# Altium PCB CRD25DA12N-FMC V2 (09-2024).PcbDoc (part 5 of 6) (continued)
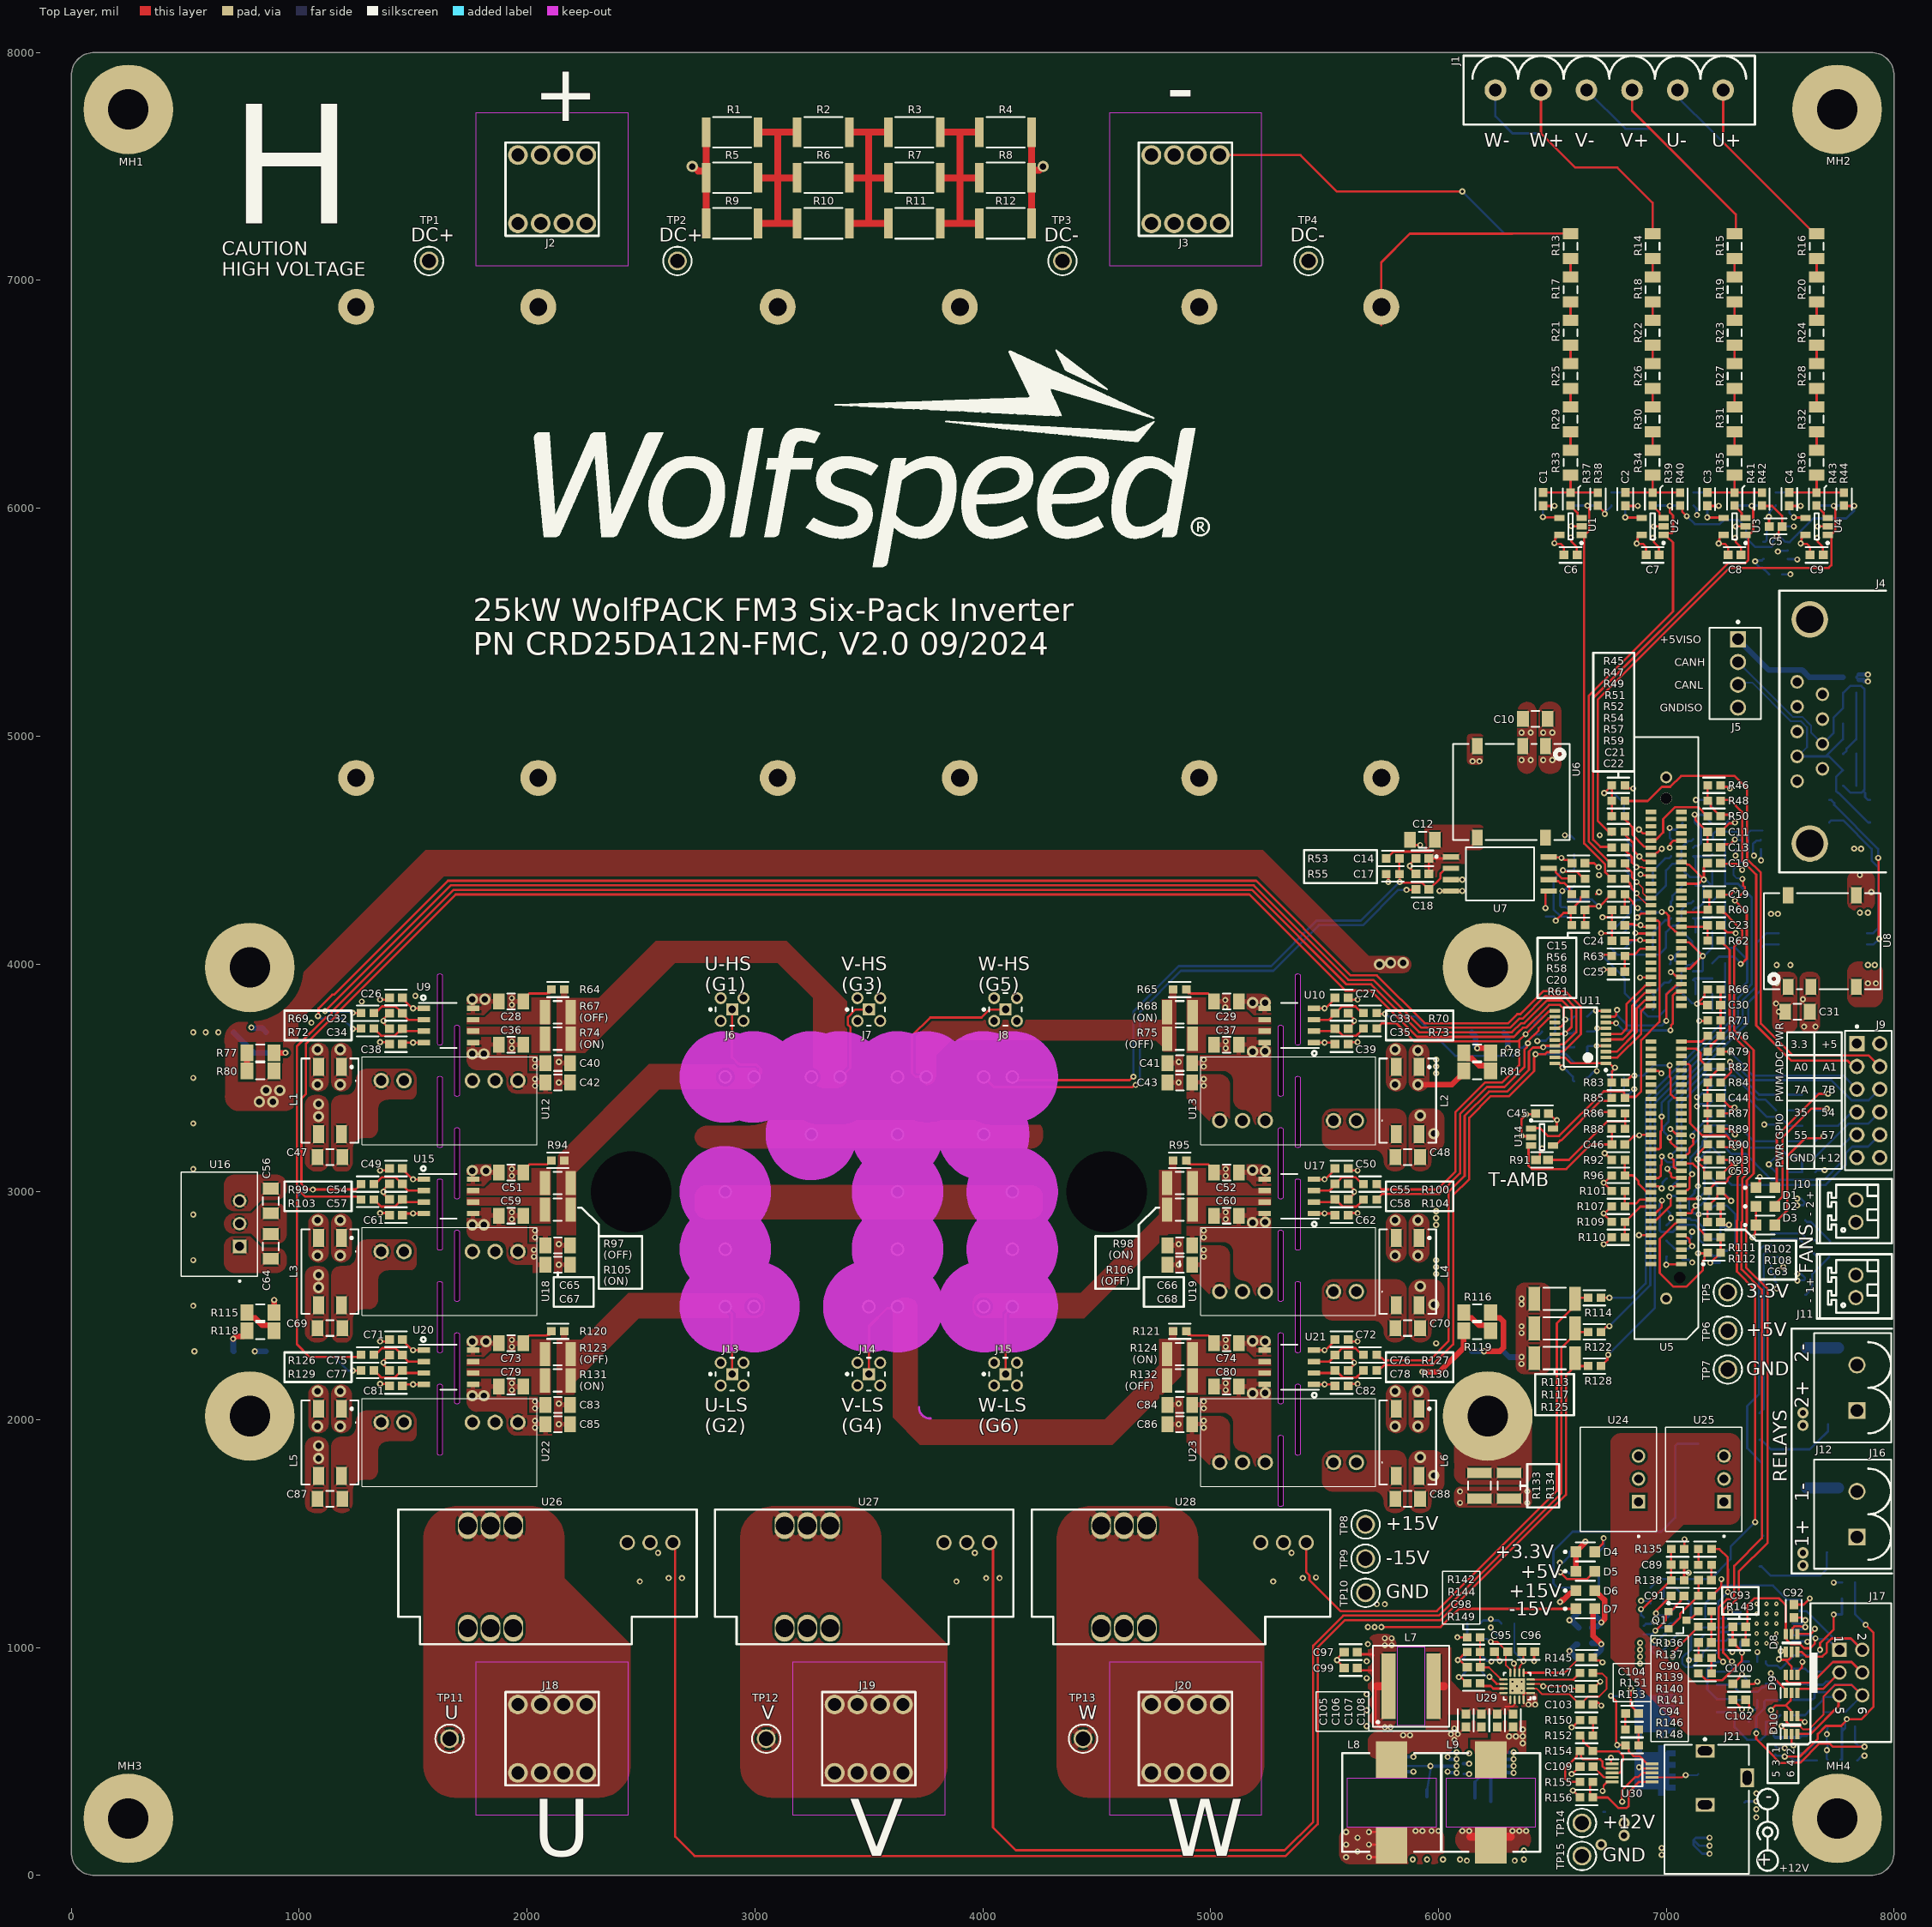
[diagram p0: Top Layer view]
## Nets (pads, with @x,y where several pads share a name; then routed paths per layer and width w, separated by ;. In a path a pad name is that pad's centre, name@x,y a point inside that pad or via, vN(x,y) a via of type N, cw(c..) or ccw(c..) an arc to the next point about the centre after c; other vN are vias at no path point) (continued)
  Bottom Layer w10: v1(1082.04,3770.63) 1086.64,3770.63 1097.27,3760 1190,3760 v1(1235,3715) ; v1(6425.85,3603.98) 6426.87,3605 6558.47,3605 6595.47,3568 R219.2@6596.38,3568
V_LS+_FILT: C78.1 R130.2 U21.2 | length 258
  Top Layer w10: U21.2@5453.27,2205 5540.42,2205 5545.21,2209.79 C78.1@5551.42,2216 ; C78.1@5546.42,2216 5546.42,2208.58 5552.86,2202.14 5562.86,2202.14 5580,2185 5640,2185 5657.52,2202.52 5657.52,2203.04 5670.47,2216 R130.2@5671.38,2216
V_LS-_FILT: C34.1 R72.2 U9.3 | length 258
  Top Layer w10: R72.2@1328.62,3716 1329.53,3716 1342.48,3703.04 1342.48,3702.52 1360,3685 1420,3685 1437.14,3702.14 1447.14,3702.14 1453.58,3708.58 C34.1@1453.58,3716 ; C34.1@1448.58,3716 1454.79,3709.79 1459.58,3705 U9.3@1546.73,3705
V_LS_PWM: U5.55 U11.2 | length 351.8
  Top Layer w10: U11.2@6735,3589.41 6785.92,3589.41 6890,3693.49 6890,3793.14 6908.75,3811.89 6931.93,3811.89 U5.55@6935,3814.96
V_OUT: J19.1 J19.2 J19.3 J19.4 J19.5 J19.6 J19.7 J19.8 TP12.1 U27.1 U27.2 U27.3
VCC: C103.1 R147.2 U29.2 | length 507.7
  Top Layer w8: U29.2@6404.23,820.16 6429.84,820.16 6455,795 6575.47,795 6620.47,750 C103.1@6621.42,750 6622.37,750 6657.37,785 6705,785 6737.5,817.5 6737.5,867.5 6719.8,885.2 6681.42,885.2 R147.2@6678.62,888
VDC_MEAS: C134.1 R57.2 U5.27 | length 242.6
  Top Layer w6.5: v1(6870,4310) 6870,4305.7 6905.62,4270.08 6906.89,4270.08 6912.7,4264.27 6926.48,4264.27 U5.27@6933.07,4257.68
  Top Layer w10: R57.2@6818.62,4374 6819.53,4374 6836.84,4356.68 6838.32,4356.68 6841.5,4353.5 6841.5,4348.19 6847.73,4341.96 6847.73,4332.27 v1(6870,4310)
  Bottom Layer w10: C134.1@6815,4340 6837.47,4340 6837.47,4337.96 6865.43,4310 v1(6870,4310)
VIN: J21.1 J22.2 Q7.5 R156.2 R275.2 U30.1 | length 75.3
  Top Layer w10: v1(6590.28,371.98) 6590.49,371.98 6620.47,342 R156.2@6621.38,342 ; v1(6757.39,516.18) 6757.39,490.27 6758.3,489.37 U30.1@6762.91,489.37
VIN_MID: Q7.1 Q7.2 Q7.3 Q8.1 Q8.2 Q8.3
VIN_PROTECT: Q8.5 R276.1 U30.9 | length 57.5
  Top Layer w8: v1(6880.91,474.71) 6886.06,474.71 6891.82,468.94 6915.68,468.94 6915.68,468.84 U30.9@6935.93,468.84
VU_MEAS: C125.1 R51.2 U5.15 | length 302.6
  Top Layer w6.5: v1(6882.17,4471.22) 6900.14,4453.25 6926.48,4453.25 U5.15@6933.07,4446.65
  Top Layer w10: R51.2@6808.54,4577.05 6821.26,4564.33 6821.26,4564.27 6855.7,4529.83 6855.7,4497.69 v1(6882.17,4471.22)
  Bottom Layer w10: C125.1@6817.55,4548 6820.43,4548 6835.36,4533.08 6835.36,4530.19 6856.36,4509.19 6856.36,4497.03 v1(6882.17,4471.22)
VU_N: J1.2 R157.1 | length 888.5
  Bottom Layer w10: J1.2@7050,7835 7066.17,7818.83 7066.17,7788.83 7190,7665 7190.28,7665 7650.16,7205.12 R157.1@7660,7205.12
VU_P: J1.1 R16.1 | length 805.5
  Top Layer w10: J1.1@7250,7835 7250,7605.28 7650.16,7205.12 R16.1@7660,7205.12
VV_MEAS: C127.1 R52.2 U5.17 | length 246.3
  Top Layer w6.5: v1(6868.86,4425) 6893.89,4425 6897.14,4421.75 6926.48,4421.75 U5.17@6933.07,4415.16
  Top Layer w10: R52.2@6813.53,4505 6849.04,4469.48 6849.04,4445.49 6868.86,4425.68 v1(6868.86,4425)
  Bottom Layer w10: C127.1@6820.43,4480 6825.43,4475 6835.36,4465.08 6835.36,4462.19 6868.86,4428.69 v1(6868.86,4425)
VV_N: J1.4 R158.1 | length 967.7
  Bottom Layer w10: J1.4@6650,7835 6820,7665 6930,7665 7305,7290 7305,7210.12 R158.1@7300,7205.12
VV_P: J1.3 R15.1 | length 820.4
  Top Layer w10: J1.3@6850,7835 6850,7745 7305,7290 7305,7210.12 R15.1@7300,7205.12
VW_MEAS: C129.1 R54.2 U5.25 | length 270.3
  Top Layer w6.5: v1(6870,4360) 6896.75,4333.25 6896.75,4310.44 6905.62,4301.58 6906.89,4301.58 6919.29,4289.17 U5.25@6933.07,4289.17
  Top Layer w10: R54.2@6821.53,4430 6849.62,4401.91 6849.62,4380.38 v1(6870,4360)
  Bottom Layer w10: C129.1@6817.55,4411 6820.43,4411 6835.36,4396.08 6835.36,4394.64 v1(6870,4360)
VW_N: J1.6 R159.1 | length 1097.3
  Bottom Layer w10: J1.6@6250,7835 6250,7720 6325,7645 6450,7645 6600,7495 6785,7495 6940,7340 R159.1@6940,7205.12
VW_P: J1.5 R14.1 | length 941.2
  Top Layer w10: J1.5@6450,7835 6450,7645 6600,7495 6785,7495 6940,7340 R14.1@6940,7205.12
W: Q2.W U28.4 U28.5 U28.6
W_HS: R73.1 R100.1 R215.2 U11.11 | length 2115.8
  Top Layer w10: R100.1@5728.62,3034 5729.53,3034 5742.48,3021.04 5742.48,3020.14 5752.62,3010 5995,3010 6075,3090 6075,3350 6205,3480 6280,3480 6355,3555 6355,3665 ; R73.1@5728.62,3716 5729.53,3716 5742.48,3728.96 5742.48,3729.86 5752.62,3740 5815,3740 5895,3660 6350,3660 6355,3665 ; v1(6382.91,3691.5) v1@6381.5,3691.5 ; U11.11@6510.59,3794.13 6507.72,3791.26 6484.71,3791.26 6384.95,3691.5 v1@6381.5,3691.5 ; 6355,3665 v1@6381.5,3691.5
  Bottom Layer w10: v1(6382.91,3691.5) 6420.72,3729.3 6420.72,3735.25 6455,3769.53 R215.2@6455,3770
W_HS+_FILT: C35.1 R73.2 U10.2 | length 258
  Top Layer w10: U10.2@5453.27,3705 5540.42,3705 5545.21,3709.79 C35.1@5551.42,3716 ; C35.1@5546.42,3716 5546.42,3708.58 5552.86,3702.14 5562.86,3702.14 5580,3685 5640,3685 5657.52,3702.52 5657.52,3703.04 5670.47,3716 R73.2@5671.38,3716
W_HS-_FILT: C55.1 R100.2 U17.3 | length 256.7
  Top Layer w10: U17.3@5453.27,3005 5521.47,3005 5550.47,3034 5550.47,3037.1 5561.24,3047.86 5577.24,3063.86 5636.14,3063.86 5653.04,3046.96 5658.42,3046.96 R100.2@5671.38,3034
W_HS_PWM: U5.50 U11.9 | length 539.8
  Top Layer w10: U11.9@6735,3768.54 6773.62,3768.54 6780.61,3775.53 6780.61,3795 v1(6783.87,3798.26) ; v1(7000,3750) 7000,3863.77 7040.83,3904.61 7064.02,3904.61 U5.50@7068.86,3909.45
  Bottom Layer w10: v1(6783.87,3798.26) 6783.87,3776.13 6830,3730 6980,3730 v1(7000,3750)
W_LS: R70.1 R104.1 R217.2 U11.12 | length 2183.7
  Top Layer w10: R104.1@5728.62,2966 5729.53,2966 5742.48,2978.96 5742.48,2979.86 5752.62,2990 6003.28,2990 6095,3081.72 6095,3341.72 6213.28,3460 6289.93,3460 6377.35,3547.43 6377.35,3624.07 6389.19,3635.91 6389.19,3648.62 v1(6392.44,3651.88) ; R70.1@5728.62,3784 5731.76,3780.86 v1(5765.55,3780.86) ; v1@6389.03,3655.37 v1@6392.28,3658.62 ; v1@6392.14,3660.42 6440.35,3708.63 6440.35,3718.61 6483.57,3761.83 6488.13,3761.83 6494.84,3768.54 U11.12@6510.59,3768.54
  Bottom Layer w10: v1(5765.55,3780.86) 5770.15,3780.86 5781.01,3770 5899.69,3770 6073.19,3596.5 6328.24,3596.5 6364.34,3632.6 6371.41,3632.6 6392.14,3653.33 v1@6392.14,3658.62 ; v1@6388.03,3656.29 v1(6392.44,3651.88) ; v1@6392.14,3660.42 6422.05,3690.33 6442.52,3690.33 6455,3702.81 R217.2@6455,3703
W_LS+_FILT: C58.1 R104.2 U17.2 | length 258
  Top Layer w10: U17.2@5453.27,2955 5540.42,2955 5545.21,2959.79 C58.1@5551.42,2966 ; C58.1@5546.42,2966 5546.42,2958.58 5552.86,2952.14 5562.86,2952.14 5580,2935 5640,2935 5657.52,2952.52 5657.52,2953.04 5670.47,2966 R104.2@5671.38,2966
W_LS-_FILT: C33.1 R70.2 U10.3 | length 256.7
  Top Layer w10: U10.3@5453.27,3755 5521.47,3755 5550.47,3784 5550.47,3787.1 5561.24,3797.86 5577.24,3813.86 5636.14,3813.86 5653.04,3796.96 5658.42,3796.96 R70.2@5671.38,3784
W_LS_PWM: U5.52 U11.8 | length 501.6
  Top Layer w10: U11.8@6735,3742.95 6736.54,3741.41 6778.29,3741.41 v1(6779.83,3739.87) ; v1(7018.47,3708.51) 7021.72,3711.76 7021.72,3731.42 7028.5,3738.19 7028.5,3860.78 7040.83,3873.11 7064.02,3873.11 U5.52@7068.86,3877.95
  Bottom Layer w10: v1(6779.83,3739.87) 6781.21,3739.87 6812.57,3708.51 v1(7018.47,3708.51)
W_OUT: J20.1 J20.2 J20.3 J20.4 J20.5 J20.6 J20.7 J20.8 TP13.1 U28.1 U28.2 U28.3
pads on no net: HS1.1 HS1.2 HS1.4 J4.1 J4.4 J4.6 J4.8 MH1.1 MH2.1 MH3.1 MH4.1 Q2.MH1 Q2.MH2 U5. U5.1 U5.2 U5.3 U5.4 U5.5 U5.6 U5.8 U5.12 U5.14 U5.18 U5.20 U5.21 U5.23 U5.24 U5.26 U5.28 U5.32 U5.40 U5.41 U5.42 U5.43 U5.44 U5.45 U5.54 U5.56 U5.57 U5.59 U5.61 U5.62 U5.63 U5.66 U5.67 U5.68 U5.69 U5.70 U5.71 U5.72 U5.73 U5.75 U5.76 U5.77 U5.78 U5.79 U5.80 U5.81 U5.82 U5.85 U5.86 U5.89 U5.91 U5.93 U5.104 U5.109 U5.110 U5.113 U5.114 U5.115 U5.116 U5.117 U5.118 U5.119 U5.121 U5.122 U6.8 U8.8 U11.13 U11.16 U29.15 U38.11 U38.12 U38.13 U38.14 U39.7 U39.8

## Polygon pours and split planes (outlines as drawn)
GND on Layer 2 "Layer 2-GND" (solid, pour order 2481): 112 vertices, not listed, extent 490,50 7950,6174.89
GND_NTC on Layer 2 "Layer 2-GND_NTC" (solid, pour order 2493): 17 vertices, not listed, extent 5750,4305 6200,5010
S1 on Layer 2 "Layer 2-S1" (solid, pour order 1856): 30 vertices, not listed, extent 1734.75,2630 3075,3875
S3 on Layer 2 "Layer 2-S3" (solid, pour order 2483): 30 vertices, not listed, extent 1735,3420 3555,4110
S5 on Layer 2 "Layer 2-S5" (solid, pour order 2086): 20 vertices, not listed, extent 3580,3440 4845,3860
S5 on Layer 2 "Layer 5-S4" (solid, pour order 2467): 4990,3880 4940,3880 4910,3910 4814.87,3910 ccw(c4815,3865) 4770,3865 4770,3449.84 ccw(c4815,3450) 4815,3405 4890,3405 5020,3275 5220.06,3275 ccw(c5220,3320) 5265,3320 5265,3825.1 ccw(c5220,3825) 5220,3870 5000,3870
GND_ISO on Layer 2 "Layer 2-GND_ISO" (solid, pour order 2419): 19 vertices, not listed, extent 7255,3810 7950,5585
DC+ on Layer 2 "Layer 2-DC+" (solid, pour order 2301): 4265,3185 4265,3259.86 ccw(c4210,3260) 4210,3315 2805,3315.04 2805,3312.91 ccw(c2790,3260) 2735,3260 2735,3185.09 ccw(c2790,3185) 2790,3130 4209.9,3130 ccw(c4210,3185)
DC- on Layer 2 "Layer 2-DC-" (solid, pour order 2108): 2790,2880 4209.9,2880 ccw(c4210,2935) 4265,2935.46 4265,2975 ccw(c4210,2975) 4210.01,3030 2789.63,3030 ccw(c2790,2975) 2735,2975 2735,2935.06 ccw(c2790,2935)
GND_NTC on Layer 2 "Layer 2-GND_NTC 1" (solid, pour order 2092): 4004.75,3445 4649.24,3445.01 ccw(c4649.99,3479.56) 4649.99,3445 ccw(c4649.99,3479.56) 4650,3445 ccw(c4650,3480) 4685,3480 4685,3495.01 ccw(c4650,3495) 4650.25,3530 4004.88,3530 ccw(c4005,3495) 3970,3495.19 3970,3480 ccw(c4005,3480)
S4 on Layer 2 "Layer 2-S4" (solid, pour order 1912): 24 vertices, not listed, extent 3425,1775 5265,2585
S2 on Layer 2 "Layer 2-S2" (solid, pour order 1838): 26 vertices, not listed, extent 1735,1930 3075,2585
S6 on Layer 2 "Layer 2-S6" (solid, pour order 208): 29 vertices, not listed, extent 3925,2120 5265,3160
W_OUT on Layer 2 "Layer 2-W_OUT" (solid, pour order 650): 25 vertices, not listed, extent 4325,340 5235,1620
V_OUT on Layer 2 "Layer 2-V_OUT" (solid, pour order 649): 25 vertices, not listed, extent 2935,340 3845,1620
U_OUT on Layer 2 "Layer 2-U_OUT" (solid, pour order 927): 25 vertices, not listed, extent 1545,340 2455,1620
+3.3V on Layer 4 "Layer 4-+3.3V" (solid, pour order 2455): 63 vertices, not listed, extent 6015,490 7950,6175
+12V on Layer 4 "Layer 3-+5V_ALT" (solid, pour order 1328): 20 vertices, not listed, extent 490,1590 1575,3890
DC+ on Layer 4 "Layer 4-DC+" (solid, pour order 1989): 50 vertices, not listed, extent 760,3125 6240.01,7740.1
-3V_V_HS on Layer 4 "Layer 4--3V_U_LS" (solid, pour order 2475): 1780,3430 2180.14,3430 ccw(c2180,3475) 2225,3475 2225,3865.14 ccw(c2180,3865) 2180,3910 1779.86,3910 ccw(c1780,3865) 1735,3865 1735,3474.86 ccw(c1780,3475)
-3V_U_HS on Layer 4 "Layer 4--3V_U_LS" (solid, pour order 2474): 1780,2680 2180.14,2680 ccw(c2180,2725) 2225,2725 2225,3115.14 ccw(c2180,3115) 2180,3160 1779.86,3160 ccw(c1780,3115) 1735,3115 1735,2724.86 ccw(c1780,2725)
+5V on Layer 4 "Layer 4-+5V 1" (solid, pour order 1716): 5960,1790 ccw(c5959.91,1835.09) 6005,1835 6005,3830 ccw(c5959.9,3829.9) 5960,3875 5630,3875 5470.31,3875 ccw(c5470.45,3829.55) 5425,3829.69 5425,1835 ccw(c5470.27,1835.27) 5470.31,1790
-3V_W_HS on Layer 4 "Layer 4--3V_V_LS" (solid, pour order 2463): 4990,3880 4940,3880 4910,3910 4814.87,3910 ccw(c4815,3865) 4770,3865 4770,3449.83 ccw(c4815,3450) 4815,3405 4890,3405 5020,3275 5220.06,3275 ccw(c5220,3320) 5265,3320 5265,3825.1 ccw(c5220,3825) 5220,3870 5000,3870
-3V_W_LS on Layer 4 "Layer 4--3V_V_LS" (solid, pour order 2462): 4990,3130 4940,3130 4910,3160 4814.87,3160 ccw(c4815,3115) 4770,3115 4770,2699.83 ccw(c4815,2700) 4815,2655 4890,2655 5020,2525 5220.06,2525 ccw(c5220,2570) 5265,2570 5265,3075.1 ccw(c5220,3075) 5220,3120 5000,3120
+5V_ISO on Layer 4 "Layer 4-+5V_ISO" (solid, pour order 2436): 32 vertices, not listed, extent 7255,3810 7950,5585
VIN on Layer 4 "Layer 4-VIN" (solid, pour order 1731): 6615,50 7245,50 ccw(c7245,120) 7315,120 7315,530 ccw(c7245,530) 7245,600 6615,600 ccw(c6615,530) 6545,530 6545,120 ccw(c6615,120)
+15V on Layer 4 "Layer 4-+15V" (solid, pour order 2253): 66 vertices, not listed, extent 2380,50 6905,2590
+15V on Layer 4 "Layer 4-+15V 1" (solid, pour order 2240): 6496.49,1263.51 ccw(c6540,1275) 6528.51,1231.49
U on Layer 4 "Bottom Layer-U" (solid, pour order 2033): 25 vertices, not listed, extent 1545,1000 2955,2845
V on Layer 4 "Bottom Layer-V" (solid, pour order 2030): 17 vertices, not listed, extent 2935,1000 3710,2845.01
W on Layer 4 "Bottom Layer-W" (solid, pour order 2029): 18 vertices, not listed, extent 4045,1000 4880,2845
-3V_V_LS on Layer 4 "Layer 4--3V_V_LS" (solid, pour order 1928): 4990,2380 4940,2380 4910,2410 4814.87,2410 ccw(c4815,2365) 4770,2365 4770,1949.83 ccw(c4815,1950) 4815,1905 4890,1905 5020,1775 5220.06,1775 ccw(c5220,1820) 5265,1820 5265,2325.1 ccw(c5220,2325) 5220,2370 5000,2370
-3V_U_LS on Layer 4 "Layer 4--3V_U_LS" (solid, pour order 1854): 1780,1930 2180.14,1930 ccw(c2180,1975) 2225,1975 2225,2365.14 ccw(c2180,2365) 2180,2410 1779.86,2410 ccw(c1780,2365) 1735,2365 1735,1974.86 ccw(c1780,1975)
+12V on Layer 3 "Layer 3-+12V" (solid, pour order 2246): 39 vertices, not listed, extent 5425,50 7950,4035
+15V on Layer 3 "Layer 3-+15V" (solid, pour order 2179): 7845,490 ccw(c7845,595) 7950,595 7950,1185 ccw(c7905,1185) 7905,1230 6909.9,1230 ccw(c6910,1185) 6865,1185 6865,534.97 ccw(c6910,535) 6910,490
+5V_ALT on Layer 3 "Layer 3-+5V_ALT" (solid, pour order 2478): 20 vertices, not listed, extent 490,1590 1575,3890
+5V on Layer 3 "Layer 3-+5V" (solid, pour order 2453): 52 vertices, not listed, extent 5975,1800 7950,6175
DC- on Layer 3 "Layer 3-DC-" (solid, pour order 1961): 57 vertices, not listed, extent 760,2878.55 6240,7740
+15V_V_HS on Layer 3 "Layer 3-+15V_U_LS" (solid, pour order 2477): 1780,3430 2180.14,3430 ccw(c2180,3475) 2225,3475 2225,3865.14 ccw(c2180,3865) 2180,3910 1779.86,3910 ccw(c1780,3865) 1735,3865 1735,3474.86 ccw(c1780,3475)
+15V_U_HS on Layer 3 "Layer 3-+15V_U_LS" (solid, pour order 2476): 1780,2680 2180.14,2680 ccw(c2180,2725) 2225,2725 2225,3115.14 ccw(c2180,3115) 2180,3160 1779.86,3160 ccw(c1780,3115) 1735,3115 1735,2724.86 ccw(c1780,2725)
+15V_W_LS on Layer 3 "Layer 3-+15V_V_LS" (solid, pour order 2461): 4990,3130 4940,3130 4910,3160 4814.87,3160 ccw(c4815,3115) 4770,3115 4770,2699.83 ccw(c4815,2700) 4815,2655 4890,2655 5020,2525 5220.06,2525 ccw(c5220,2570) 5265,2570 5265,3075.1 ccw(c5220,3075) 5220,3120 5000,3120
+15V_W_HS on Layer 3 "Layer 3-+15V_V_LS" (solid, pour order 2460): 4990,3880 4940,3880 4910,3910 4814.87,3910 ccw(c4815,3865) 4770,3865 4770,3449.83 ccw(c4815,3450) 4815,3405 4890,3405 5020,3275 5220.06,3275 ccw(c5220,3320) 5265,3320 5265,3825.1 ccw(c5220,3825) 5220,3870 5000,3870
+5V_ISO on Layer 3 "Layer 3-+5V_ISO" (solid, pour order 2437): 32 vertices, not listed, extent 7255,3810 7950,5585
-15V on Layer 3 "Layer 3--15V" (solid, pour order 2204): 46 vertices, not listed, extent 2380,50 6150,1515
V_OUT on Layer 3 "Layer 3-V_OUT" (solid, pour order 653): 3845,1015 3555,1305 3555,1475.39 ccw(c3410,1475) 3410,1620 3080.47,1620 ccw(c3079.99,1475.01) 2935,1475 2935,485 ccw(c3080,485) 3080,340 3699.83,340 ccw(c3700,485) 3845,485
+15V_V_LS on Layer 3 "Layer 3-+15V_V_LS" (solid, pour order 1925): 4990,2380 4940,2380 4910,2410 4814.87,2410 ccw(c4815,2365) 4770,2365 4770,1949.83 ccw(c4815,1950) 4815,1905 4890,1905 5020,1775 5220.06,1775 ccw(c5220,1820) 5265,1820 5265,2325.1 ccw(c5220,2325) 5220,2370 5000,2370
W_OUT on Layer 3 "Layer 3-W_OUT" (solid, pour order 830): 5235,1015 4945,1305 4945,1475.39 ccw(c4800,1475) 4800,1620 4470.24,1620 ccw(c4470,1475) 4325,1475 4325,485 ccw(c4470,485) 4470,340 5089.83,340 ccw(c5090,485) 5235,485
U_OUT on Layer 3 "Layer 3-U_OUT" (solid, pour order 1194): 2455,1015 2165,1305 2165,1475.39 ccw(c2020,1475) 2020,1620 1690.38,1620 ccw(c1689.99,1475.01) 1545,1475 1545,485 ccw(c1690,485) 1690,340 2309.83,340 ccw(c2310,485) 2455,485
+15V_U_LS on Layer 3 "Layer 3-+15V_U_LS" (solid, pour order 1847): 1780,1930 2180.14,1930 ccw(c2180,1975) 2225,1975 2225,2365.14 ccw(c2180,2365) 2180,2410 1779.86,2410 ccw(c1780,2365) 1735,2365 1735,1974.86 ccw(c1780,1975)
NetD13_2 on Bottom Layer "NONET_L-01_P-001" (solid, pour order 2514): 7900,2910 7710,2910 7710,2950 7650,2950 7650,2815 7900,2815
+12V on Bottom Layer "NONET_L-01_P-001" (solid, pour order 2513): 7900,3025 7900,2920 7710,2920 7710,3025
NetD14_2 on Bottom Layer "NONET_L-01_P-001" (solid, pour order 2405): 7900,2580 7710,2580 7710,2620 7650,2620 7650,2485 7900,2485
+12V on Bottom Layer "NONET_L-01_P-001" (solid, pour order 2404): 7900,2695 7900,2590 7710,2590 7710,2695
GND on Bottom Layer "Bottom Layer-GND 5" (solid, pour order 1670): 7470,1919.76 ccw(c7505,1919.76) 7505.14,1884.76 7600.14,1884.76 ccw(c7600,1919.76) 7635,1919.6 7635,2059.91 ccw(c7600,2059.77) 7600.18,2094.76 7504.81,2094.76 ccw(c7505,2059.77) 7470,2059.77
NetD17_2 on Bottom Layer "Bottom Layer-NetD17_2" (solid, pour order 1668): 18 vertices, not listed, extent 7470,1884.76 7950,2404.76
+12V on Bottom Layer "Bottom Layer-+12V 2" (solid, pour order 1669): 7875,1919.54 7875,2059.85 ccw(c7840,2059.76) 7840.15,2094.76 7789.82,2094.76 ccw(c7790,2059.77) 7755,2059.88 7755,1919.76 ccw(c7790,1919.76) 7789.87,1884.76 7840.18,1884.76 ccw(c7840,1919.76)
DC+ on Bottom Layer "Bottom Layer-DC+" (solid, pour order 2512): 47 vertices, not listed, extent 760,3180 6240.01,7740.1
S5 on Bottom Layer "Bottom Layer-S5" (solid, pour order 2027): 31 vertices, not listed, extent 4770,3275 5265,3910
NetC48_1 on Bottom Layer "NONET_L-01_P-001" (solid, pour order 2469): 5535,3365 ccw(c5535,3320) 5490,3320 5490,3230 ccw(c5535,3230) 5535,3185 5715,3185 cw(c5715,3140) 5760,3140 5760,3135 ccw(c5805,3135) 5805,3090 5925,3090 ccw(c5925,3135) 5970,3135 5970,3145.83 cw(c6004.58,3150.42) 6000,3185 ccw(c5992.08,3217.08) 6025,3220 6025,3320 ccw(c5980,3320) 5980,3365
NetC70_1 on Bottom Layer "NONET_L-01_P-001" (solid, pour order 2459): 5535,2615 ccw(c5535,2570) 5490,2570 5490,2480 ccw(c5535,2480) 5535,2435 5715,2435 cw(c5715,2390) 5760,2390 5760,2385 ccw(c5805,2385) 5805,2340 5925,2340 ccw(c5925,2385) 5970,2385 5970,2395.83 cw(c6004.58,2400.42) 6000,2435 ccw(c5992.08,2467.08) 6025,2470 6025,2570 ccw(c5980,2570) 5980,2615
NetC69_2 on Bottom Layer "Bottom Layer-NetC136_2" (solid, pour order 1108): 24 vertices, not listed, extent 1025,2340 1515.4,2790
GND on Bottom Layer "Bottom Layer-GND 4" (solid, pour order 1678): 6655,4275 6740.1,4275 ccw(c6740,4320) 6785,4319.97 6785,4685 ccw(c6739.93,4684.93) 6740.1,4730 6660,4730 ccw(c6660.07,4684.93) 6615,4685 6615,4315 ccw(c6655.02,4315.02)
GND on Bottom Layer "NONET_L-01_P-001" (solid, pour order 2409): 7300,485 7300,190 7170,190 7170,275 7065,275 7065,50 7515,50 7515,485
VIN on Bottom Layer "Bottom Layer-VIN" (solid, pour order 2408): 22 vertices, not listed, extent 6860,200 7290,830
GND_ISO on Bottom Layer "Bottom Layer-GND_ISO" (solid, pour order 774): 7795,4405 7885,4405 7885,4480.14 ccw(c7840,4480) 7840,4525 7839.82,4525 ccw(c7840,4480) 7795,4480 7795,4415
GND_ISO on Bottom Layer "Bottom Layer-GND_ISO 1" (solid, pour order 765): 7950,4155 7950,4290 7795,4290 7795,4200 ccw(c7840.07,4200.07) 7840,4155
+5V_ISO on Bottom Layer "+5V_ISO_L06_P517" (solid, pour order 517): 7795,4395 7795,4295 7910,4295 7910,4340 7885,4340 7885,4395
+5V_ISO on Bottom Layer "Bottom Layer-+5V_ISO" (solid, pour order 597): 7795,3855 ccw(c7840,3855) 7840,3810 7860,3810 7860,3940 7950,3940 7950,4020 ccw(c7904.94,4019.94) 7905,4065 7840,4065 ccw(c7840.01,4019.99) 7795,4020
GND on Bottom Layer "GND_L06_P290" (solid, pour order 290): 7413.72,4236.18 7413.72,4155 7525,4155 7525,4236.18
GND on Bottom Layer "GND_L06_P515" (solid, pour order 515): 7430,3935 7430,3775 7535,3775 7535,3935
+3.3V on Bottom Layer "+3.3V_L06_P306" (solid, pour order 306): 7605,3830 7605,3910 7585,3910 7585,4065 7430,4065 7430,3945 7540,3945 7540,3830
-15V on Bottom Layer "Bottom Layer--15V" (solid, pour order 2402): 82 vertices, not listed, extent 2380,50 6680,2600
NetC185_1 on Bottom Layer "Bottom Layer-NetC187_1" (solid, pour order 2399): 6495,370 6495,425.05 ccw(c6460.02,425.02) 6460.05,460 6389.81,460 ccw(c6390,425) 6355,425 6355,410 6355,385 6443.54,385 6443.54,295 6365,295 6365,260 ccw(c6390,260) 6390,235 6460.03,235 ccw(c6459.96,270.04) 6495,270.04
+15V on Bottom Layer "Bottom Layer-+15V 3" (solid, pour order 2396): 6405,85 6405,125 6085,125 6085,84.91 ccw(c6120,85) 6120.45,50 6370.09,50 ccw(c6370,85)
GND on Bottom Layer "Bottom Layer-GND 7" (solid, pour order 2389): 5845,50 ccw(c5845,85) 5845.42,50 6035.2,50 ccw(c6035,85) 6070,85 6070,130 5810,130 5810,84.91 ccw(c5845,85)
NetC105_2 on Bottom Layer "Bottom Layer-NetC202_2" (solid, pour order 2382): 5840,500 5840,585 6070.07,585 ccw(c6070,610) 6095,610 6095,635 ccw(c6070,635) 6070,660 5850.1,660 ccw(c5850,645) 5835,645 cw(c5820,645) 5820,630 5750,630 5720,630 ccw(c5720,595) 5685,595 5685,499.85 ccw(c5720,500) 5720,465 5804.47,465 ccw(c5805,500)
NetC194_1 on Bottom Layer "Bottom Layer-NetC214_1" (solid, pour order 2369): 5685,254.88 ccw(c5720,255) 5719.87,220 5775.12,220 ccw(c5775.12,254.88) 5810,254.88 5810,295 5720,295 5720,380 5840,380 5840,419.56 ccw(c5804.67,419.67) 5804.56,455 5719.92,455 ccw(c5719.99,420.01) 5685,419.56
NetC107_2 on Bottom Layer "Bottom Layer-NetC186_2" (solid, pour order 2359): 6389.77,470 6460,470 ccw(c6460,505) 6495,505 6495,625.15 ccw(c6459.96,624.96) 6459.96,660 6360,660 6154.92,660 ccw(c6155,625) 6120,624.99 6120,599.88 ccw(c6155,600) 6155,565 6355,565 6355,504.88 ccw(c6390,505)
NetD18_2 on Bottom Layer "Bottom Layer-NetD18_2" (solid, pour order 1650): 18 vertices, not listed, extent 7470,1329.99 7950,1850
+12V on Bottom Layer "Bottom Layer-+12V 5" (solid, pour order 2340): 5825,680 5825,775 5825,1020.09 ccw(c5785,1020) 5790,1059.69 ccw(c5795,1020) 5755,1020 5755,925 5755,679.87 ccw(c5795,680) 5790,640.31 ccw(c5785,680)
GND on Bottom Layer "Bottom Layer-GND 8" (solid, pour order 2332): 5665,679.87 ccw(c5705,680) 5705,640 5705.16,640 ccw(c5705,680) 5745,680 5745,775 5745,1020.09 ccw(c5705,1020) 5705,1060 5704.84,1060 ccw(c5705,1020) 5665,1020 5665,925
VIN_MID on Bottom Layer "Bottom Layer-VIN_MID" (solid, pour order 1428): 17 vertices, not listed, extent 6715,365 6850,770
GND on Bottom Layer "NONET_L-01_P-001" (solid, pour order 2122): 6085,575 6085,310 5730,310 5730,370 5850,370 5850,575
+15V on Bottom Layer "NONET_L-01_P-001" (solid, pour order 2121): 6100,580 6100,305 6440,305 6440,375 6345,375 6345,580
GND on Bottom Layer "NONET_L-01_P-001" (solid, pour order 2126): 6405,140 6405,210 6360,210 6360,217.5 6360,295 6100,295 6100,140
VIN_PROTECT on Bottom Layer "Bottom Layer-VIN_PROTECT" (solid, pour order 1442): 7055,189.81 7055,545.19 ccw(c7020,545) 7020.17,580 6879.93,580 ccw(c6880.07,559.93) 6860,559.93 6860,190 ccw(c6895,190) 6895,155 7020.25,155 ccw(c7020,190)
+12V on Bottom Layer "Bottom Layer-+12V 4" (solid, pour order 1436): 6679.88,84.82 ccw(c6714.88,85) 6715,50 6810.07,50 ccw(c6809.98,84.91) 6844.88,84.82 6844.88,295.24 ccw(c6809.99,295.11) 6810.07,330 6714.69,330 ccw(c6714.88,295.01) 6679.88,295.24
U on Bottom Layer "Bottom Layer-U" (solid, pour order 809): 25 vertices, not listed, extent 1545,1000 2955,2845
W on Bottom Layer "Bottom Layer-W" (solid, pour order 806): 18 vertices, not listed, extent 4045,1000 4880,2845
V on Bottom Layer "Bottom Layer-V" (solid, pour order 780): 17 vertices, not listed, extent 2935,1000 3710,2845.01
NetC88_1 on Bottom Layer "NONET_L-01_P-001" (solid, pour order 974): 5535,1865 ccw(c5535,1820) 5490,1820 5490,1730 ccw(c5535,1730) 5535,1685 5715,1685 cw(c5715,1640) 5760,1640 5760,1635 ccw(c5805,1635) 5805,1590 5925,1590 ccw(c5925,1635) 5970,1635 5970,1645.83 cw(c6004.58,1650.42) 6000,1685 ccw(c5992.08,1717.08) 6025,1720 6025,1820 ccw(c5980,1820) 5980,1865
-3V_W_HS on Bottom Layer "Bottom Layer--3V_W_HS" (solid, pour order 2026): 5210,3275 5220,3275 ccw(c5220,3320) 5265,3320 5265,3615.28 ccw(c5220,3615) 5220.06,3660 5184.85,3660 ccw(c5185,3615) 5140,3615 5140,3560.13 ccw(c5165.05,3560.05) 5165.06,3535 cw(c5165,3515) 5185,3515 5185,3300 ccw(c5210,3300)
+15V_W_HS on Bottom Layer "Bottom Layer-+15V_W_HS" (solid, pour order 2025): 5040,3275 ccw(c5039.95,3320.05) 5085,3320 5085,3330 5010,3405 5010,3470.14 ccw(c4965,3470) 4965.14,3515 ccw(c4965.15,3469.85) 4920,3470 4920,3375 5020,3275
S6 on Bottom Layer "Bottom Layer-S6" (solid, pour order 2024): 31 vertices, not listed, extent 4770,2525 5265,3160
-3V_W_LS on Bottom Layer "Bottom Layer--3V_W_LS" (solid, pour order 2023): 5210,2525 5220,2525 ccw(c5220,2570) 5265,2570 5265,2865.28 ccw(c5220,2865) 5220.06,2910 5184.85,2910 ccw(c5185,2865) 5140,2865 5140,2810.13 ccw(c5165.05,2810.05) 5165.06,2785 cw(c5165,2765) 5185,2765 5185,2550 ccw(c5210,2550)
+15V_W_LS on Bottom Layer "Bottom Layer-+15V_W_LS" (solid, pour order 2022): 5040,2525 ccw(c5039.95,2570.05) 5085,2570 5085,2580 5010,2655 5010,2720.14 ccw(c4965,2720) 4965.14,2765 ccw(c4965.15,2719.85) 4920,2720 4920,2625 5020,2525
S4 on Bottom Layer "Bottom Layer-S4" (solid, pour order 2021): 31 vertices, not listed, extent 4770,1775 5265,2410
-3V_V_LS on Bottom Layer "Bottom Layer--3V_V_LS" (solid, pour order 2003): 5210,1775 5220,1775 ccw(c5220,1820) 5265,1820 5265,2115.28 ccw(c5220,2115) 5220.06,2160 5184.85,2160 ccw(c5185,2115) 5140,2115 5140,2060.13 ccw(c5165.05,2060.05) 5165.06,2035 cw(c5165,2015) 5185,2015 5185,1800 ccw(c5210,1800)
+15V_V_LS on Bottom Layer "Bottom Layer-+15V_V_LS" (solid, pour order 1997): 5040,1775 ccw(c5039.95,1820.05) 5085,1820 5085,1830 5010,1905 5010,1970.14 ccw(c4965,1970) 4965.14,2015 ccw(c4965.15,1969.85) 4920,1970 4920,1875 5020,1775
S1 on Bottom Layer "Bottom Layer-S2" (solid, pour order 1852): 21 vertices, not listed, extent 1830,2680 2225.07,3130
-3V_U_HS on Bottom Layer "Bottom Layer--3V_U_LS" (solid, pour order 1851): 1735,2724.9 ccw(c1780,2725) 1777.5,2680.07 ccw(c1775,2725) 1820,2724.91 1820,2765.4 1820.37,2765.77 cw(c1865,2760) 1859.85,2804.7 ccw(c1859.7,2850) 1905,2849.91 1905,3085.14 ccw(c1860,3085) 1860.23,3130 1779.81,3130 ccw(c1780,3085) 1735,3085 1735,2775
+15V_U_HS on Bottom Layer "Bottom Layer-+15V_U_LS" (solid, pour order 1850): 1980,2680 2005.11,2680 ccw(c2005,2725) 2050,2724.9 2050,2730.17 ccw(c2005,2730) 2005.11,2775 1979.86,2775 ccw(c1980,2730) 1935,2730 1935,2775 1935,2727.5 1935,2724.9 ccw(c1980,2725)
-3V_U_LS on Bottom Layer "Bottom Layer--3V_U_LS" (solid, pour order 1034): 1735,1974.9 ccw(c1780,1975) 1777.5,1930.07 ccw(c1775,1975) 1820,1974.91 1820,2015.4 1820.37,2015.77 cw(c1865,2010) 1859.85,2054.7 ccw(c1859.7,2100) 1905,2099.91 1905,2335.14 ccw(c1860,2335) 1860.23,2380 1779.81,2380 ccw(c1780,2335) 1735,2335 1735,2025
GND on Bottom Layer "Bottom Layer-GND 6" (solid, pour order 1667): 7470,1365 ccw(c7505,1365) 7505.14,1330 7600.14,1330 ccw(c7600,1365) 7635,1364.84 7635,1505.15 ccw(c7600,1505) 7600.18,1540 7504.81,1540 ccw(c7505,1505) 7470,1505
+12V on Bottom Layer "Bottom Layer-+12V 3" (solid, pour order 1659): 7875,1364.78 7875,1505.08 ccw(c7840,1505) 7840.15,1540 7789.82,1540 ccw(c7790,1505) 7755,1505.12 7755,1365 ccw(c7790,1365) 7789.87,1330 7840.18,1330 ccw(c7840,1365)
GND on Bottom Layer "Bottom Layer-GND 9" (solid, pour order 1451): 6969.99,50 ccw(c6969.89,75.11) 6995,74.99 6995,115.03 ccw(c6969.85,114.85) 6969.95,140 6884.96,140 ccw(c6885.06,114.94) 6860,114.94 6860,74.97 ccw(c6885.11,75.11) 6885.01,50
NetC87_2 on Bottom Layer "Bottom Layer-NetC157_2" (solid, pour order 1011): 24 vertices, not listed, extent 1025,1590 1515.4,2040
+15V on Bottom Layer "Bottom Layer-+15V" (solid, pour order 1419): 5370,1334.96 5370,1489.91 ccw(c5344.91,1489.91) 5344.98,1515 5304.95,1515 ccw(c5305.07,1489.93) 5280,1489.92 5280,1405 5280,1391.3 5280,1334.98 ccw(c5305.03,1335.03) 5304.94,1310 5344.97,1310 ccw(c5344.97,1335.03)
GND on Bottom Layer "Bottom Layer-GND" (solid, pour order 1130): 5505,1234.92 5505,1365.14 ccw(c5457.49,1367.5) 5460.08,1415 5425,1415 ccw(c5425.07,1369.93) 5380,1370 5380,1234.92 ccw(c5427.46,1237.47) 5429.85,1190 5460.08,1190 ccw(c5459.99,1235.01)